# Altium PCB DM2097_R0M0E0.PcbDoc (part 4 of 7)
Units mm, origin at the board's own origin, x right, y up, seen from the top; angles counter-clockwise.
Board outline 115 x 46 mm, 6 copper layers (Top Copper, GND 1, PWR, Signal Layer 1, GND 2, Bottom Copper), stack 1.599 mm thick; 406 components, 356 nets, 1579 pads, 920 vias.
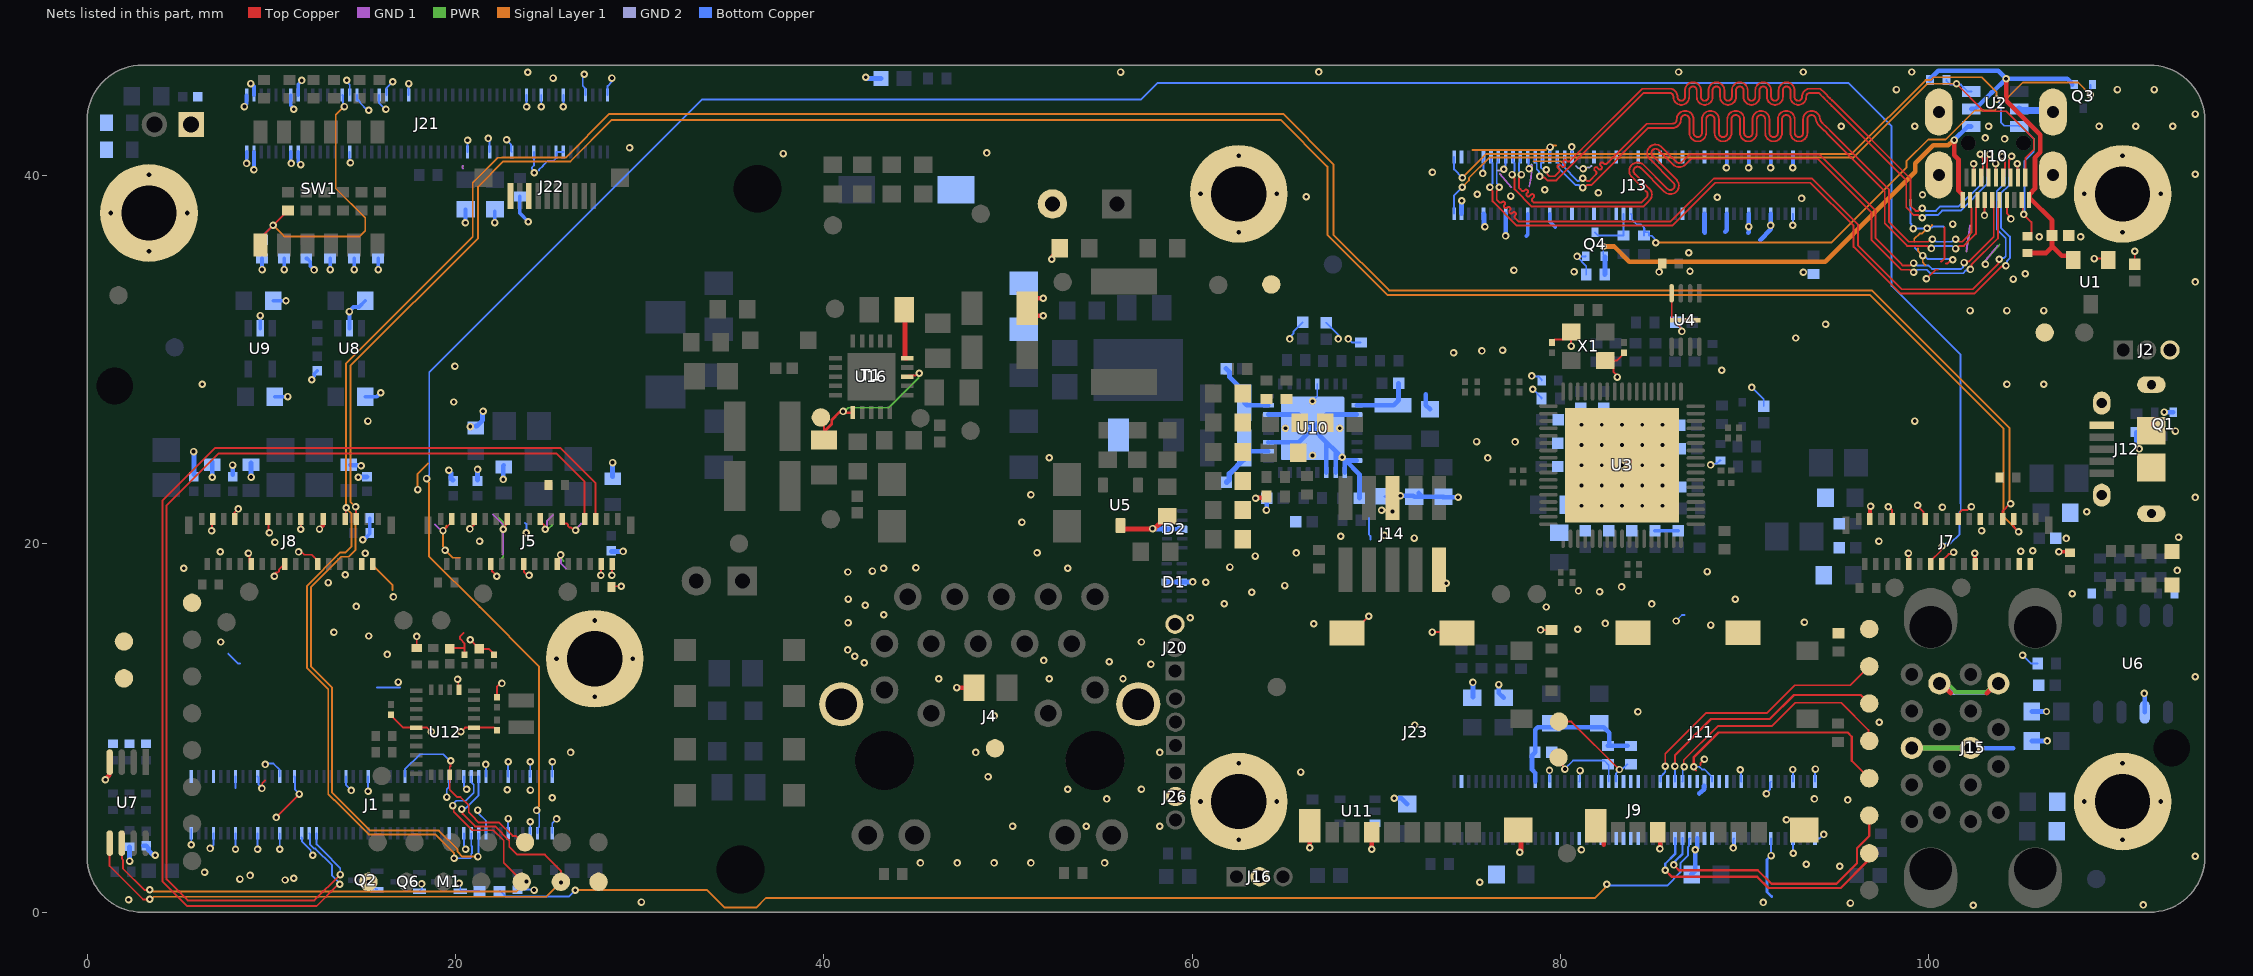
[diagram p8: the nets of this part, all layers, seen from the top]

## Via types
v1: diameter 0.406, hole 0.203, Top Copper to Bottom Copper, tented both sides, 871 vias
v2: diameter 0.5, hole 0.2, Top Copper to Bottom Copper, 25 vias
v3: diameter 0.508, hole 0.254, Top Copper to Bottom Copper, 24 vias

## Nets (pads, with @x,y where several pads share a name; then routed paths per layer and width w, separated by ;. In a path a pad name is that pad's centre, name@x,y a point inside that pad or via, vN(x,y) a via of type N, cw(c..) or ccw(c..) an arc to the next point about the centre after c; other vN are vias at no path point) (continued)
GND: B1.1 C6.1 C7.1 C8.1 C9.1 C10.1 C11.1 C12.1 C13.1 C14.1 C15.1 C16.1 C17.1 C18.1 C19.1 C20.1 C21.1 C23.1 C25.2 C27.1 C28.1 C29.1 C30.1 C31.1 C32.1 C33.1 C34.1 C35.1 C36.1 C37.1 C38.1 C39.1 C40.1 C41.1 C42.1 C43.2 C44.1 C46.2 C47.2 C48.1 C49.1 C50.1 C55.1 C56.1 C57.1 C58.1 C59.1 C60.1 C61.1 C62.1 C63.1 C64.1 C65.1 C66.1 C67.1 C68.1 C81.2 C82.2 C83.2 C84.2 C85.2 C86.2 C87.1 C88.1 C89.2 C90.1 C91.2 C92.2 C94.2 C95.2 C96.2 C97.2 C98.2 C100.2 C101.2 C102.2 C103.2 C104.2 C105.1 C106.1 C107.2 C108.1 C109.1 C110.1 C111.1 C112.1 C113.2 C114.2 C115.2 C116.2 C119.1 C120.1 D1.3 D1.8 D2.3 D2.8 D6.1 D9.1 D10.1 J1.1 J1.2 J1.7 J1.8 J1.13 J1.14 J1.19 J1.20 J1.25 J1.26 J1.30 J1.31 J1.44 J1.50 J1.71 J1.72 J1.75 J1.76 J1.81 J1.82 J1.87 J1.88 J1.93 J1.94 J1.99 J1.100 J2.3 J4.19 J4.20 J5.2 J5.4 J5.11 J5.12 J5.15 J5.18 J5.21 J5.24 J5.27 J5.31 J6.P1 J7.2 J7.4 J7.11 J7.12 J7.15 J7.18 J7.21 J7.24 J7.27 J7.31 J8.2 J8.4 J8.11 J8.12 J8.15 J8.18 J8.21 J8.24 J8.27 J8.31 J9.1 J9.2 J9.7 J9.8 J9.13 J9.14 J9.22 J9.23 J9.32 J9.33 J9.42 J9.43 J9.52 J9.53 J9.59 J9.60 J9.65 J9.66 J9.71 J9.74 J9.98 J10.4 J10.7 J10.10 J10.13 J10.16 J10.Shell J11.6 J11.11 J11.12 J11.13 J11.14 J12.5 J12.6 J12.7 J12.8 J12.9 J12.10 J12.11 J13.7 J13.8 J13.13 J13.14 J13.19 J13.20 J13.25 J13.26 J13.31 J13.32 J13.37 J13.38 J13.44 J13.50 J13.55 J13.56 J13.61 J13.62 J13.67 J13.68 J13.73 J13.74 J13.79 J13.80 J13.85 J13.86 J13.91 J13.92 J13.97 J13.98 J14.6 J14.9 J15.4 J15.7 J15.13 J15.16 J16.2 J20.3 J21.1 J21.2 J21.3 J21.4 J21.13 J21.14 J21.15 J21.16 J21.29 J21.30 J21.32 J21.38 J21.40 J21.46 J21.61 J21.67 J21.73 J21.78 J21.79 J21.82 J21.85 J21.87 J21.88 J21.94 J21.100 J22.8 J22.10 J23.6 J23.11 J23.12 J23.13 J23.14 J26.2 M1.2 MTG5.1 MTG6.1 MTG7.1 MTG8.1 MTG9.1 MTG10.1 Q1.2 Q2.2 Q4.2 Q6.2 R2.1 R15.1 R25.2 R29.2 R36.2 R39.2 R50.1 R53.1 R61.1 R64.1 R68.1 R74.1 R75.1 R76.2 R77.2 R78.2 R79.2 R85.2 R86.2 R89.1 R91.1 R95.1 R104.1 R105.1 R110.1 R111.1 R119.2 R120.2 R121.1 R122.2 R123.1 R124.1 R127.1 R131.1 R132.1 R133.1 R134.1 T1.9 T1.10 TP9.1 TP20.1 TP21.1 TP22.1 TP33.1 TP46.1 TP47.1 TP54.1 TP55.1 U1.1 U2.2 U3.69 U4.4 U4.9 U5.3 U6.6 U7.4 U8.2 U9.2 U10.1 U10.2 U10.3 U10.11 U10.14 U10.21 U10.27 U10.32 U10.33 U11.3 U12.2 U12.10 U12.25 X1.2 X1.4 | length 279.3
  Top Copper w0.102: v1(6.758,20.71) 6.785,20.737 6.785,21.339 J8.31@6.812,21.366 ; J8.27@8.012,21.366 8.012,21.712 v1(8.2,21.9) ; v1(8.763,19.493) 8.821,19.435 8.821,19.015 J8.24@8.92,18.916 ; v1(9.493,6.723) 9.508,6.738 9.508,7.008 9.65,7.15 ; J8.21@9.812,21.366 9.856,21.322 9.856,20.644 v1(9.9,20.6) ; v1(10.17,18.246) 10.229,18.304 10.229,18.425 10.242,18.438 10.333,18.438 10.422,18.528 10.422,18.618 J8.18@10.72,18.916 ; v1(10.266,5.145) 10.266,5.165 v1(11.518,6.417) ; v1(11.48,19.565) 11.538,19.507 11.701,19.507 11.795,19.413 12.197,19.413 12.52,19.091 J8.12@12.52,18.916 ; v1(11.6,20.8) 11.606,20.806 11.606,21.36 J8.15@11.612,21.366 ; C107.2@16.5,10.72 16.5,10.7 17.172,10.028 U12.10@17.883,10.028 18.472,10.028 v1(18.7,9.8) ; R36.2@17.9,14.35 v1(17.9,14.976) ; v1(19.325,20.725) 19.346,20.725 19.812,21.191 J5.31@19.812,21.366 ; C28.1@19.7,14.3 19.74,14.34 20.5,14.34 ; v1(20.118,12.65) 20.157,12.612 20.157,12.129 U12.2@20.195,12.091 ; v1(20.3,9.8) 20.528,10.028 U12.25@21.008,10.028 22.108,10.028 C108.1@22.26,9.876 ; 20.45,15.175 20.25,14.975 20.25,14.839 20.5,14.589 20.5,14.34 ; C30.1@20.5,13.98 20.5,14.34 ; v1(20.789,20.815) 21.012,21.037 J5.27@21.012,21.366 ; v1(20.803,14.795) v1(20.803,14.795) C105.1@21.3,14.3 21.8,14.3 22.1,14 C106.1@22.1,13.98 ; J5.24@21.92,18.916 21.996,18.84 21.996,18.504 v1(22.25,18.25) ; C109.1@22.26,11.682 22.26,12.26 22.425,12.425 v1(22.525,12.425) ; v1(22.6,20.8) 22.6,20.882 22.713,20.995 22.713,21.267 J5.21@22.812,21.366 ; J5.18@23.72,18.916 23.72,18.48 23.9,18.3 v1(24,18.3) ; J5.15@24.612,21.366 24.612,21.191 24.711,21.092 24.754,21.092 24.82,21.025 24.82,20.856 v1(24.879,20.797) ; J5.12@25.52,18.916 25.52,19.091 25.652,19.223 25.652,19.342 v1(25.71,19.4) ; J5.11@25.812,21.366 25.812,21.216 25.911,21.117 26.05,21.117 26.11,21.057 26.11,20.978 26.199,20.888 26.29,20.888 26.334,20.844 26.443,20.736 v1(26.525,20.736) ; v1(27.9,18.3) 27.91,18.31 27.91,18.906 J5.4@27.92,18.916 ; R119.2@28.48,17.66 28.52,17.7 v1(29,17.7) ; v1(28.5,18.3) 28.51,18.31 28.51,18.906 J5.2@28.52,18.916 ; J23.12@68.424,15.172 68.699,15.172 69.596,16.069 v1(69.596,16.078) ; v1(70.886,21.764) J14.6@70.913,21.738 ; v1(73.05,15.215) 74.352,15.215 J23.11@74.394,15.172 ; v1(78.925,15.328) 79.522,15.328 R53.1@79.525,15.325 ; C66.1@79.553,30.938 79.553,30.958 79.705,31.11 80.184,31.11 X1.2@80.584,31.509 80.584,30.754 v1(80.593,30.745) ; v1(83.083,29.059) 83.083,29.141 82.883,29.342 82.883,29.56 82.709,29.734 82.934,29.959 83.066,29.959 83.464,30.358 C67.1@83.464,30.378 ; U4.4@86.042,33.607 86.048,33.6 86.048,32.163 86.055,32.156 86.272,32.156 86.346,32.082 86.346,31.929 86.542,31.733 86.542,31.599 v1(86.6,31.541) ; 87.606,7.997 87.606,8.1 87.806,8.3 v1(87.825,8.3) ; v1(97.8,22.025) 97.822,22.025 98.012,21.835 J7.27@98.012,21.366 ; v1(98.9,19.5) 98.92,19.48 J7.24@98.92,18.916 ; v1(99.4,22.1) 99.4,22.057 99.713,21.744 99.713,21.465 J7.21@99.812,21.366 ; v1(99.877,34.393) 100.375,34.892 100.514,34.892 ; 100.68,35.33 100.869,35.519 100.869,37.175 ; J7.18@100.72,18.916 100.72,19.076 101.086,19.442 101.164,19.442 101.268,19.546 v1(101.35,19.546) ; 100.938,35.219 101.022,35.219 101.237,35.435 v1(101.309,35.435) ; J7.15@101.612,21.366 101.711,21.465 101.711,21.743 101.812,21.843 102.113,21.843 102.295,22.025 v1(102.325,22.025) ; v1(102.441,40.642) 102.451,40.632 J10.4@102.451,39.899 J10.4@102.46,39.89 ; v1(103.033,37.835) 103.042,37.844 103.042,38.75 J10.7@103.053,38.761 ; v1(103.632,40.651) 103.641,40.642 103.641,39.909 J10.10@103.651,39.899 ; J10.13@104.257,38.752 104.257,37.94 104.466,37.73 v1(104.466,37.648) ; v1(104.816,40.642) 104.833,40.624 104.833,39.917 J10.16@104.851,39.899 ; v1(108.991,35.495) 109.68,35.495 U1.1@109.757,35.418 ; v1(111.19,35.89) 111.19,35.18 C10.1@111.195,35.176
  Top Copper w0.2: v1(12.618,20.809) 12.812,21.002 J8.11@12.812,21.366 ; J7.31@96.812,21.366 96.812,22.012 v1(96.849,22.049) ; v1(102.5,19.5) 102.52,19.48 J7.12@102.52,18.916 ; v1(107.075,19.575) 107.625,19.575 R121.1@107.675,19.525
  Top Copper w0.25: v1(0.993,7.192) 0.993,7.234 1.206,7.447 1.206,8.131 U7.4@1.225,8.15 ; J11.13@81.928,4.698 82.352,4.273 82.352,3.659 ; J11.6@85.288,4.348 85.429,4.206 85.426,4.203 85.426,3.458 v1(85.409,3.442) ; J15.13@100.585,12.419 100.687,12.419 101.206,11.9 ; 103.163,11.9 103.683,12.419 J15.4@103.785,12.419
  Top Copper w0.254: v1(47.228,12.199) 47.236,12.191 C7.1@48.158,12.191 ; v1(51.92,32.393) 51.449,32.393 C25.2@51.047,32.795 51.047,32.887 51.495,33.335 v1(51.92,33.335) ; v1(52.383,35.458) 52.412,35.487 52.412,35.595 C49.1@52.855,36.038 ; U5.3@56.119,21 56.119,20.957 56.267,20.809 57.979,20.809 58.008,20.838 58.008,20.902 58.131,21.025 ; 58.156,21 R15.1@58.531,21.375 ; R15.1@58.506,21.4 58.609,21.503 R15.1@58.659,21.503 ; v1(63.449,22.479) 63.478,22.508 63.981,22.508 R89.1@64.05,22.578 ; v1(66.396,3.505) 66.396,4.693 J23.13@66.399,4.697 J23.13@66.421,4.719 ; J23.6@69.759,4.347 69.763,4.344 v1(69.763,3.417) ; J23.14@77.719,4.472 77.859,4.333 77.859,3.356 77.796,3.293 v1(77.796,3.252)
  GND 1 w0.102: 18.9,21.05 19.125,20.825 19.143,20.825 19.243,20.725 v1(19.325,20.725) ; 20.403,40.532 ccw(c20.475,40.46) 20.414,40.379 ; 22.025,21.6 22.563,21.062 22.563,20.837 v1(22.6,20.8) 22.6,19.475 22.55,19.425 ; v1(24.879,20.797) 24.879,20.88 24.975,20.976 24.975,21.25 25.3,21.575 ; v1(25.71,19.4) 25.742,19.368 25.742,18.933 26,18.675 ; v1(26.525,20.736) 26.525,20.8 26.825,21.1 ; 76.709,40.112 77.344,39.369 ; 78.315,39.414 78.413,39.878 ccw(c78.314,39.9) 78.415,39.892 78.451,40.361 78.465,40.551 ; 102.047,35.869 102.114,36.345 102.247,37.281 ; v1@103.083,35.368 103.752,36.205
  GND 1 w0.25: J15.13@100.585,12.419 100.737,12.419 101.206,11.95 ; J15.4@103.633,12.419 J15.4@103.785,12.419
  PWR w0.102: 22.375,21.4 22.6,21.175 v1(22.6,20.8) 22.6,19.3 22.525,19.225 ; v1(24.879,20.797) 24.937,20.856 25.081,20.856 25.25,21.025 ; v1(25.71,19.4) 25.768,19.342 25.768,19.194 25.78,19.182 25.78,19.17 25.875,19.075 ; 102.047,36.029 102.117,36.344 102.307,37.189 ; v1@103.027,35.336 103.04,35.35 103.786,36.175 103.864,36.261
  PWR w0.25: J15.16@99.085,8.919 J15.7@102.285,8.919 ; J15.13@100.585,12.419 100.767,12.237 101.188,12.237 101.475,11.95 103.163,11.95 103.633,12.419 J15.4@103.785,12.419
  Signal Layer 1 w0.102: 15.493,18.71 15.634,18.71 16.574,17.77 16.574,17.491 ; v1(17.95,22.95) 17.95,23.801 18.508,24.359 ; 19.5,21 19.5,20.937 19.325,20.762 v1(19.325,20.725) 19.325,19.851 19.436,19.74 v1(19.436,19.657) 19.844,19.25 20.25,19.25 ; 75.225,41.398 79.215,41.398 79.446,41.629 79.757,41.629 ; 78.552,40.777 80.026,40.777 80.078,40.724 ; 99.221,36.409 99.221,36.565 99.51,36.854 99.631,36.854 v1(99.914,37.137) 99.952,37.098 99.978,37.098 100.191,37.311 ; 99.42,36.056 99.42,35.914 v1(99.676,35.658) 99.676,35.284 99.824,35.137 ; 102.071,36.089 102.122,36.343 102.279,37.125 ; 103.135,35.436 103.756,36.185
  Signal Layer 1 w0.25: J15.16@99.085,8.919 J15.7@102.285,8.919
  GND 2 w0.102: 22.55,19.5 22.55,20.75 v1(22.6,20.8) ; 76.59,40.286 76.867,40.286 v1(76.927,40.346) ; v1(78.303,40.372) 78.303,40.475 78.434,40.606 ; 80.835,40.528 80.962,40.401 81.262,40.401 v1@81.28,40.42 ; v1(81.231,40.37) v1@81.28,40.42 ; 81.682,40.532 81.584,40.434 81.482,40.434 81.475,40.426 81.287,40.426 v1@81.28,40.42
  GND 2 w0.25: J15.16@99.085,8.919 J15.7@102.285,8.919 ; J15.13@100.585,12.419 100.712,12.419 101.206,11.925 103.163,11.925 103.658,12.419 J15.4@103.785,12.419
  Bottom Copper w0.102: v1(5.655,3.66) 5.658,3.663 J1.1@5.658,4.527 ; v1(6.678,3.461) 6.678,3.484 6.867,3.673 6.867,4.281 J1.7@6.86,4.288 ; 7.662,14.042 8.205,13.5 8.3,13.5 ; 8.05,6.75 8.055,6.755 8.055,7.363 J1.14@8.06,7.368 ; v1(8.057,3.421) 8.06,3.424 J1.13@8.06,4.288 ; v1(9.257,3.421) 9.26,3.424 J1.19@9.26,4.288 ; J1.20@9.26,7.368 9.297,7.331 9.297,6.953 9.493,6.757 v1(9.493,6.723) ; v1(9.666,8.023) 9.716,8.073 10.121,8.073 10.46,7.734 J1.26@10.46,7.368 ; v1(10.457,3.421) 10.46,3.424 J1.25@10.46,4.288 ; J1.30@11.26,7.368 11.28,7.348 11.28,6.682 11.518,6.443 v1(11.518,6.417) ; J1.31@11.65,4.05 11.673,4.027 11.673,3.837 12.144,3.366 12.144,3.289 12.25,3.182 v1(12.25,3.1) ; J1.44@14.06,7.368 14.06,6.899 v1(14.348,6.611) ; v1(14.1,45.175) 14.1,45.1 14.26,44.94 J21.30@14.26,44.368 ; J21.29@14.251,41.288 14.251,40.749 v1(14.3,40.7) ; J21.32@14.66,44.368 14.66,44.108 14.699,44.069 14.758,44.069 14.817,44.009 14.817,43.955 15.222,43.55 v1(15.3,43.55) ; v1(15.255,6.571) 15.26,6.576 J1.50@15.26,7.368 J1.50@15.265,7.373 ; v1(15.275,1.65) 15.692,1.233 Q2.2@15.746,1.233 ; 15.743,12.203 16.993,12.203 ; J21.38@15.86,44.368 15.86,43.94 16.2,43.6 v1(16.226,43.6) ; J21.40@16.26,44.368 16.26,44.76 v1(16.6,45.1) ; J21.46@17.46,44.368 v1(17.46,44.996) ; Q6.2@18.05,1.15 18.2,1.3 18.2,1.575 v1(18.161,1.536) ; v1(19.531,6.255) 19.531,6.681 19.659,6.81 J1.72@19.66,7.368 ; v1(20.2,1.575) 20.26,1.515 M1.2@20.26,1.15 R75.1@21.3,1.15 ; J1.75@20.46,4.288 20.46,3.597 20.55,3.507 v1(20.55,3.425) ; J1.76@20.46,7.368 20.46,6.829 v1(20.606,6.683) ; J21.61@20.66,41.288 v1(20.66,41.916) ; v1(21.214,5.549) 21.272,5.49 21.272,5.353 21.66,4.965 J1.81@21.66,4.288 ; v1(21.65,8.025) 21.66,8.015 J1.82@21.66,7.368 ; v1(21.777,42.017) 21.777,41.934 21.86,41.851 J21.67@21.86,41.288 ; v1(22.779,41.942) 22.779,41.921 23.021,41.679 23.021,41.327 J21.73@23.06,41.288 ; J1.87@22.855,4.283 J1.87@22.86,4.288 22.86,5.08 v1(22.865,5.085) ; J1.88@22.855,7.363 J1.88@22.86,7.368 22.86,8.16 v1(22.865,8.165) ; R50.1@23.375,1.225 24.248,1.225 v1(24.269,1.203) ; 23.775,21.15 23.85,21.075 v1(23.85,20.6) ; v1(23.86,43.74) J21.78@23.86,44.368 ; J1.94@24.055,7.363 J1.94@24.06,7.368 24.06,8.16 v1(24.065,8.165) ; J1.93@24.06,4.288 24.061,4.289 24.061,4.912 v1(24.062,4.913) ; J21.79@24.26,41.288 24.26,40.549 24.158,40.446 24.158,40.35 24.275,40.232 v1(24.275,40.15) ; 24.528,40.279 24.528,40.31 24.765,40.547 24.765,40.559 24.991,40.785 25.317,40.785 25.488,40.957 25.488,41.288 J21.87@25.86,41.288 ; v1(24.66,43.74) J21.82@24.66,44.368 ; J1.100@25.255,7.363 J1.100@25.26,7.368 25.26,8.16 v1(25.265,8.165) ; J1.99@25.26,4.288 25.26,4.838 v1(25.489,5.067) ; v1(25.86,43.74) J21.88@25.86,44.368 ; v1(27,45.5) 26.911,45.411 26.911,44.87 27.06,44.721 J21.94@27.06,44.368 ; J21.100@28.26,44.368 28.26,44.86 28.5,45.1 v1(28.5,45.3) ; v1(65.303,31.132) 65.303,31.215 65.502,31.413 65.502,31.522 C102.2@66.014,32.034 ; U10.33@66.547,27.754 66.547,27.757 66.797,28.007 U10.21@66.797,28.679 ; C104.2@67.284,32.008 67.946,31.346 v1(67.946,31.132) ; v1(68.489,31.132) 68.495,31.132 68.698,30.929 R68.1@69.164,30.929 ; 69.607,21.4 69.607,20.511 69.69,20.428 69.69,20.235 ; v1(70.29,21.834) v1@70.325,21.799 ; C83.2@70.46,22.581 70.487,22.581 C83.2@70.886,22.182 ; v1@70.851,21.799 v1(70.886,21.764) ; C89.2@75.22,11.64 C89.2@75.255,11.675 ; v1(75.785,40.116) 75.831,40.163 J13.92@75.831,41.008 ; v1(76.927,40.346) 76.927,40.428 77.031,40.532 J13.86@77.031,40.989 ; J13.80@78.231,41.008 78.267,40.972 78.267,40.408 v1(78.303,40.372) ; v1(78.449,29.121) 78.479,29.091 78.815,29.091 78.989,28.917 R25.2@78.989,28.867 ; v1(78.5,28.4) 78.52,28.4 78.973,27.947 R29.2@78.973,27.897 ; v1(79.411,7.701) 79.421,7.691 79.421,7.099 J9.74@79.431,7.089 ; J13.74@79.431,41.008 79.437,41.014 79.437,41.545 v1(79.442,41.551) ; v1(80.623,41.559) 80.627,41.555 80.627,41.012 J13.68@80.631,41.008 ; J9.66@81.031,7.089 81.052,7.109 81.052,7.671 v1(81.072,7.692) ; Q4.2@81.383,35.625 81.367,35.609 v1(80.906,35.609) 80.906,35.591 81.407,35.091 81.407,34.625 R61.1@81.408,34.624 ; C110.1@86.258,32.029 86.518,31.77 86.518,31.706 86.6,31.624 v1(86.6,31.541) ; v1(86.281,15.814) 86.607,16.14 86.735,16.14 ; v1(88.155,24.286) 88.238,24.286 88.303,24.351 88.473,24.351 88.647,24.525 R39.2@88.697,24.525 ; v1(89.386,3.492) 89.409,3.514 89.409,3.986 J9.23@89.431,4.009 ; v1(89.763,7.736) 89.804,7.695 89.804,7.116 J9.22@89.831,7.089 ; v1(90.4,28.5) 91.044,27.856 C65.1@91.044,27.476 ; v1(91.19,6.434) 91.19,6.474 91.387,6.671 91.387,7.044 J9.14@91.431,7.089 ; J9.13@91.431,4.009 91.431,3.085 v1(91.441,3.075) ; v1(92.622,37.303) 92.627,37.308 92.627,37.924 J13.7@92.631,37.928 ; v1(92.625,7.75) 92.631,7.744 J9.8@92.631,7.089 ; J9.7@92.631,4.009 92.631,3.219 v1(92.65,3.2) ; J9.1@93.831,4.009 94.084,4.009 v1(94.3,4.225) ; J9.2@93.831,7.089 93.831,7.756 v1(93.85,7.775) ; 99.007,38.696 99.007,37.419 99.059,37.367 99.059,37.312 99.162,37.209 v1(99.162,37.127) 99.167,37.132 99.909,37.132 v1(99.914,37.137) 99.967,37.19 100.187,37.19 100.236,37.239 100.8,37.239 100.832,37.207 ; 99.254,36.07 99.666,35.658 v1(99.676,35.658) 99.759,35.658 99.954,35.463 101.281,35.463 v1(101.309,35.435) ; v1(105.099,13.96) 105.559,13.5 R110.1@105.923,13.5
  Bottom Copper w0.15: v1(91.441,3.075) 91.221,2.855 91.221,1.104 91.475,0.85
  Bottom Copper w0.2: v1(8.546,43.748) 8.546,43.803 8.65,43.908 8.65,44.358 J21.2@8.66,44.368 ; v1(8.66,40.66) J21.1@8.66,41.288 ; v1(8.886,44.997) 8.897,44.997 8.9,45 9.06,44.84 J21.4@9.06,44.368 ; v1@9.06,40.324 J21.3@9.06,41.288 ; U9.2@9.4,31.7 v1(9.4,32.4) ; v1(9.5,34.9) R76.2@9.5,35.5 ; C41.1@10.1,33.2 v1(10.8,33.2) ; C42.1@10.2,28 v1(10.9,28) ; v1(10.7,34.9) R77.2@10.7,35.5 ; J21.13@11.06,41.288 11.06,40.692 v1(11.092,40.66) ; J21.14@11.06,44.368 11.06,43.813 11.225,43.648 v1(11.225,43.6) ; J21.15@11.46,41.288 11.46,40.74 v1(11.6,40.6) ; J21.16@11.46,44.368 11.46,44.955 11.65,45.145 v1(11.65,45.168) ; R78.2@11.9,35.5 11.944,35.5 12.119,35.325 12.119,35.095 12.325,34.89 v1(12.325,34.875) ; v1(12.202,28.913) 12.202,28.969 12.34,29.106 12.34,29.24 C88.1@12.5,29.4 ; v1(13.2,34.9) R79.2@13.2,35.5 ; v1@14.225,32.625 14.25,32.6 U8.2@14.25,31.7 ; v1(14.244,32.62) 14.244,32.644 14.467,32.867 14.767,32.867 C21.1@15.1,33.2 ; v1(14.5,34.9) R85.2@14.5,35.5 ; v1(14.963,20.224) 15.002,20.263 15.063,20.263 15.35,20.55 R124.1@15.35,21.4 ; C39.1@15.1,28 15.735,28 v1(15.948,28.213) ; v1(15.802,34.9) R86.2@15.802,35.5 ; v1(20.542,37.44) 20.55,37.448 C112.1@20.55,38.175 ; v1(22.134,37.45) C111.1@22.134,38.05 ; R74.1@23.5,38.875 23.5,37.95 v1(23.95,37.5) ; 78.156,36.719 78.231,36.794 J13.79@78.231,37.928 ; J13.73@79.431,37.928 79.431,37.508 79.73,37.21 ; C27.1@85.141,20.719 C68.1@86.411,20.719 ; v1(89.018,40.434) 89.031,40.447 J13.26@89.031,41.008 ; v1(90.218,40.434) 90.231,40.447 J13.20@90.231,41.008 ; v1(91.418,40.434) 91.431,40.447 J13.14@91.431,41.008 ; v1(92.618,40.434) 92.631,40.447 J13.8@92.631,41.008
  Bottom Copper w0.25: R131.1@2.3,3.55 2.3,2.784 v1(2.304,2.78) ; C120.1@3.05,3.6 C120.1@3.2,3.6 3.335,3.465 3.335,3.355 3.56,3.13 3.67,3.13 v1(3.7,3.1) ; v1(85.409,3.442) 85.431,3.464 J9.43@85.431,4.009 ; C119.1@87.101,2.074 C119.1@87.125,2.05 87.325,2.25 v1(87.325,3.387) ; v1@87.335,3.377 87.431,3.473 J9.33@87.431,4.009 ; J15.7@102.285,9.046 J15.7@102.285,8.919 104.6,8.9
  Bottom Copper w0.254: v1(5.782,25.018) 5.8,25 C44.1@5.8,23.75 ; v1(6.8,23.621) C50.1@6.8,24.467 ; C36.1@7.9,23.75 v1(7.9,24.283) ; v1(8.9,23.633) C37.1@8.9,24.4 ; C40.1@14.3,24.3 14.325,24.275 14.85,24.275 v1(14.875,24.25) ; v1(14.725,23.625) 14.737,23.637 15.188,23.637 C38.1@15.2,23.65 ; v1(19.65,24) 19.65,23.959 19.757,23.852 19.757,23.55 19.84,23.467 C16.1@19.89,23.467 ; C17.1@21.1,26.4 21.15,26.4 21.473,26.723 21.473,27.173 v1(21.5,27.2) ; C12.1@21.2,23.467 v1(21.2,24.045) ; v1(22.6,23.5) 22.6,24.247 C13.1@22.62,24.267 ; C14.1@28.47,19.59 v1(29.103,19.59) ; v1(28.532,24.42) 28.532,23.648 C15.1@28.54,23.64 ; v1(42.285,45.345) 42.355,45.275 D6.1@43.115,45.275 ; v1(57.855,20.832) 57.876,20.81 58.621,20.81 D2.8@58.642,20.789 D2.3@59.477,20.789 ; D1.3@58.616,17.927 58.619,17.93 60.031,17.93 v1(60.034,17.933) ; v1(64.039,21.839) 64.057,21.857 C94.2@64.057,22.486 ; U10.11@64.145,25.529 U10.11@64.147,25.529 ; U10.14@64.147,27.029 65.797,27.029 U10.33@66.547,26.279 ; U10.11@64.32,25.529 65.797,25.529 U10.33@66.547,26.279 ; U10.3@67.297,23.879 U10.33@67.297,25.529 ; U10.2@67.797,23.879 U10.33@67.797,25.029 ; U10.33@68.14,24.685 U10.33@67.797,25.029 ; v1(68.163,24.708) 68.342,24.529 ; U10.1@68.297,23.879 68.297,24.529 68.342,24.529 ; U10.32@68.947,24.529 68.342,24.529 ; U10.27@68.947,27.029 67.297,27.029 U10.33@66.547,26.279 ; C103.2@69.09,22.486 69.09,23.781 68.342,24.529 ; v1(70.985,6.195) 71.37,6.195 C87.1@71.69,5.875 ; v1(71.32,22.619) 72,22.619 72.061,22.558 C86.2@72.514,22.558 ; C86.2@72.061,22.562 C86.2@72.51,22.562 ; C86.2@72.311,22.762 C86.2@72.51,22.562 ; C86.2@72.514,22.562 C86.2@72.51,22.562 ; 72.697,28.122 72.697,27.531 C85.2@72.923,27.305 ; C84.2@73.605,22.562 C84.2@73.609,22.558 ; C84.2@73.655,22.558 C84.2@73.609,22.558 ; v1(74.448,22.539) 73.628,22.539 C84.2@73.609,22.558 ; J13.97@74.631,37.928 74.631,38.62 v1(74.641,38.63) ; C89.2@75.255,11.675 v1(75.255,12.48) ; J13.91@75.831,37.928 75.858,37.901 75.858,37.313 75.905,37.266 v1(75.905,37.225) ; v1(76.66,12.365) 76.66,11.905 C91.2@76.925,11.64 ; v1(77.023,36.727) 77.027,36.731 77.027,37.924 J13.85@77.031,37.928 ; 87.55,6.45 87.61,6.51 87.626,6.51 87.804,6.688 J9.32@87.804,6.866 ; J13.31@87.831,37.928 87.831,36.919 87.85,36.9 ; 88.95,36.95 89.031,37.031 J13.25@89.031,37.928 ; 90.2,36.9 90.231,36.931 J13.19@90.231,37.928 ; 90.85,36.5 91.431,37.081 J13.13@91.431,37.928 ; C115.2@105.6,9.3 v1(106.445,9.3) ; C116.2@105.6,10.9 v1(106.4,10.9) ; 111.277,25.493 R2.1@111.277,26.068 ; v1(111.711,11.883) 111.735,11.86 U6.6@111.735,10.862 ; v1(112.79,27.162) 112.8,27.152 113.266,27.152 Q1.2@113.276,27.142 ; U10.33@66.547,26.279 U10.33@67.297,25.529 ; U10.33@67.297,25.529 U10.33@67.797,25.029 ; C86.2@72.51,22.562 C86.2@72.514,22.558 ; C86.2@72.514,22.558 C84.2@73.609,22.558
  Bottom Copper w0.381: U2.2@104.919,43.617 105.003,43.533 106.667,43.533 J10.Shell@106.751,43.449
  other v1: 102.423,0.372 111.648,0.396 95.75,0.5 91.019,0.531 30.1,0.55 2.251,0.674 75.619,1.633 10.75,1.75 8.3,1.8 11.225,1.85 8.85,2 6.375,2.175 95.175,2.5 93.35,2.6 45.251,2.674 47.251,2.674 49.251,2.674 51.251,2.674 55.251,2.674 114.475,3.041 81.146,3.396 50.251,4.674 54.251,4.674 58.251,4.674 92.275,5.025 95.6,6.1 55.375,6.15 93.8,6.15 25.257,6.222 24.073,6.635 22.807,6.647 53.251,6.674 57.251,6.674 48.925,7.35 65.903,7.613 26.251,8.674 48.251,8.674 58.251,8.674 72.099,10.167 97.321,10.313 49.251,10.674 84.211,10.881 16.9,12.5 46.251,12.674 52.251,12.674 56.251,12.674 114.475,12.79 57.77,13.47 42.2,13.55 55.503,13.596 51.95,13.675 41.682,13.9 16.3,14 41.305,14.244 7.251,14.674 57.251,14.674 15.3,15 13.4,15.2 80.952,15.364 88.163,15.595 66.61,15.668 82.433,15.685 41.32,15.725 93.255,15.745 59.905,15.984 43.255,16.15 79.234,16.575 14.611,16.606 42.251,16.674 84.969,16.738 61.744,16.748 89.498,16.997 41.33,17.005 16.632,17.122 107.8,17.3 63.239,17.378 82.129,17.403 80.986,17.448 83.324,17.662 65.03,17.736 73.798,17.863 13.1,17.9 60.746,17.921 14.015,18.32 41.315,18.475 87.977,18.496 42.646,18.527 113.506,18.562 5.251,18.674 43.251,18.674 53.251,18.674 45.008,18.707 62.057,18.741 63.427,19.343 15.104,19.491 65.661,19.508 51.582,19.517 7.225,19.568 105,19.6 105.65,19.625 10.2,20.093 21.311,20.141 97.3,20.15 107.475,20.3 72.068,20.32 113.572,20.358 68.072,20.421 70.445,20.461 102.876,20.718 50.763,21.177 108.581,21.75 100.746,21.994 114.475,22.526 51.251,22.674 76.06,24.67 52.251,24.674 111.437,25.161 75.453,25.557 77.54,25.54 113.403,26.129 20.807,26.372 15.251,26.674 99.251,26.674 19.904,27.706 6.251,28.674 104.251,28.674 106.251,28.674 88.761,29.426 19.975,29.646 74.203,30.382 75.743,30.478 76.864,30.521 92.779,31.182 94.4,31.934 102.251,32.674 104.251,32.674 106.251,32.674 114.475,34.225 104.596,34.38 105.251,34.674 93.199,34.751 85.361,34.771 80.744,34.785 87.04,34.8 77.478,34.857 103.085,35.182 86.971,35.806 106,36.675 108.251,36.674 90.234,37.235 91.414,37.293 101.313,37.369 93.097,38.761 88.521,38.819 66.203,38.857 77.308,38.887 99.666,38.954 75.482,38.991 82.067,39.073 79.151,39.236 114.475,40.075 73.053,40.182 9.061,40.323 37.8,41.2 48.853,41.232 29.453,41.507 104.121,41.991 103.076,42.045 95.251,42.674 99.251,42.674 103.251,42.674 109.251,42.674 111.251,42.674 113.251,42.674 114.475,43.34 98.251,44.674 110.251,44.674 112.251,44.674 25.3,45.3 23.928,45.607 56.119,45.623 66.878,45.632 86.419,45.626 93.194,45.626 99.081,45.626